# KiCad board imx8x_eps_leviathan.kicad_pcb
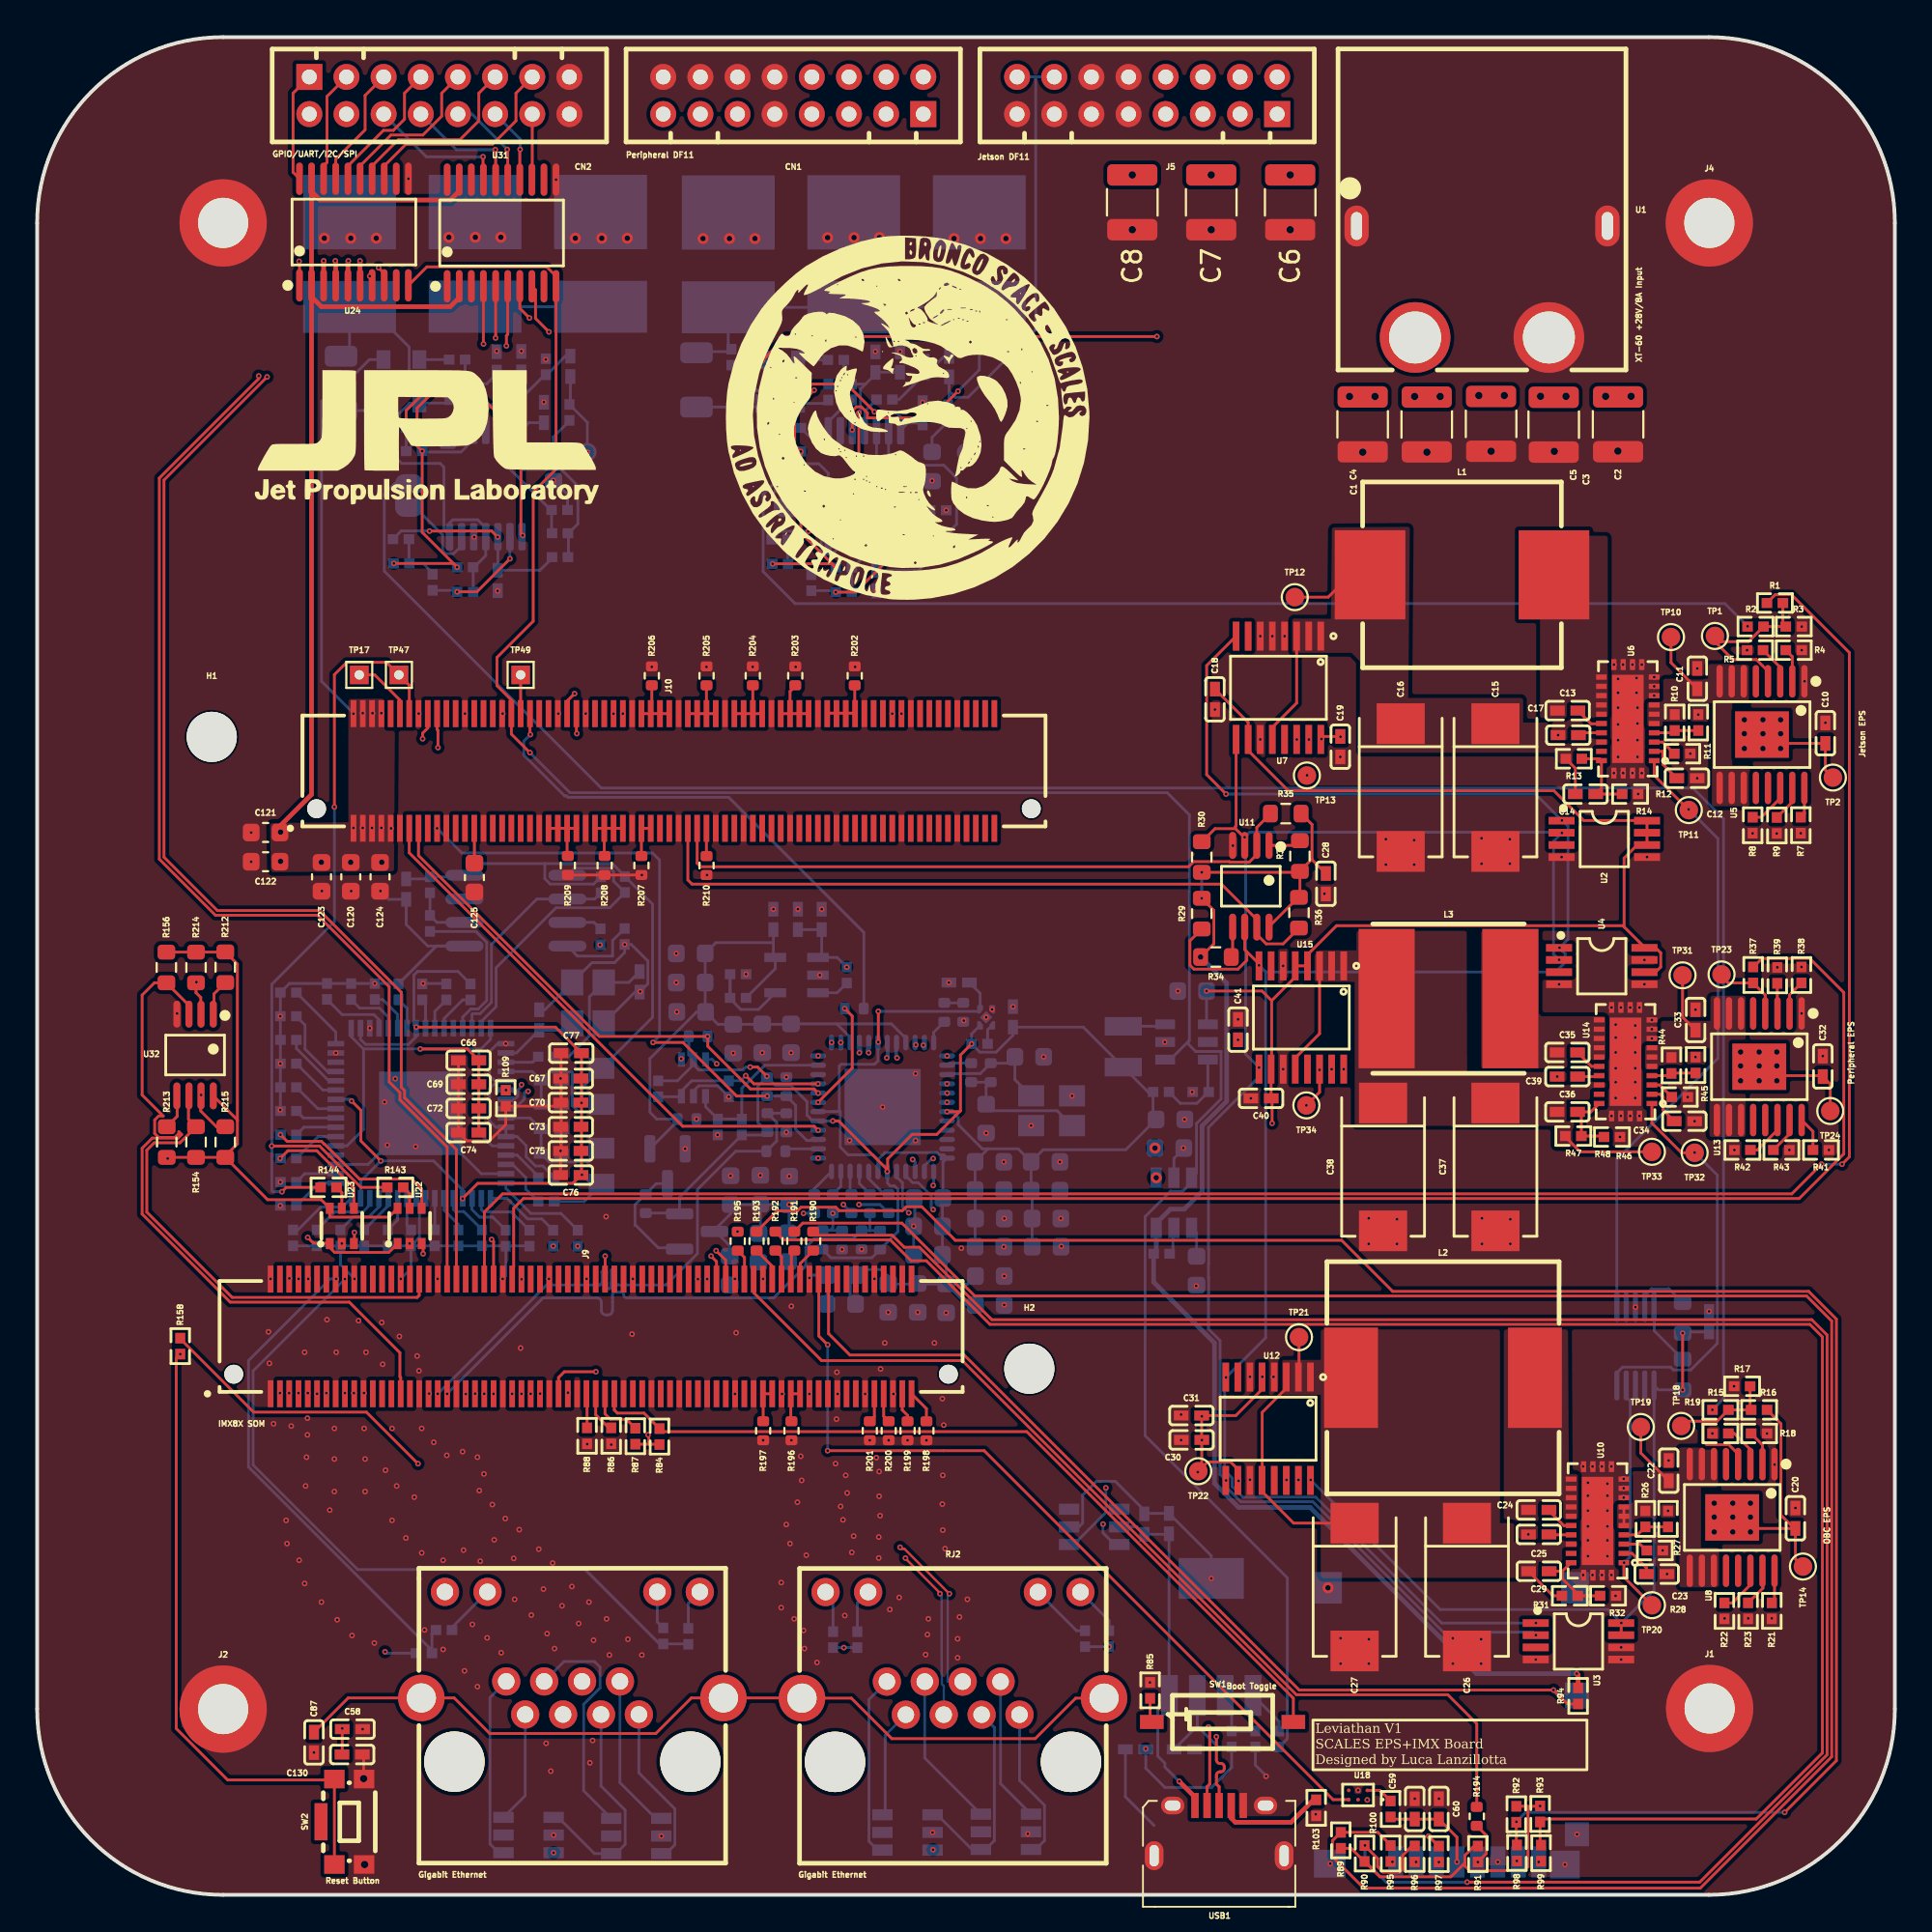
[diagram p0: board, top side]
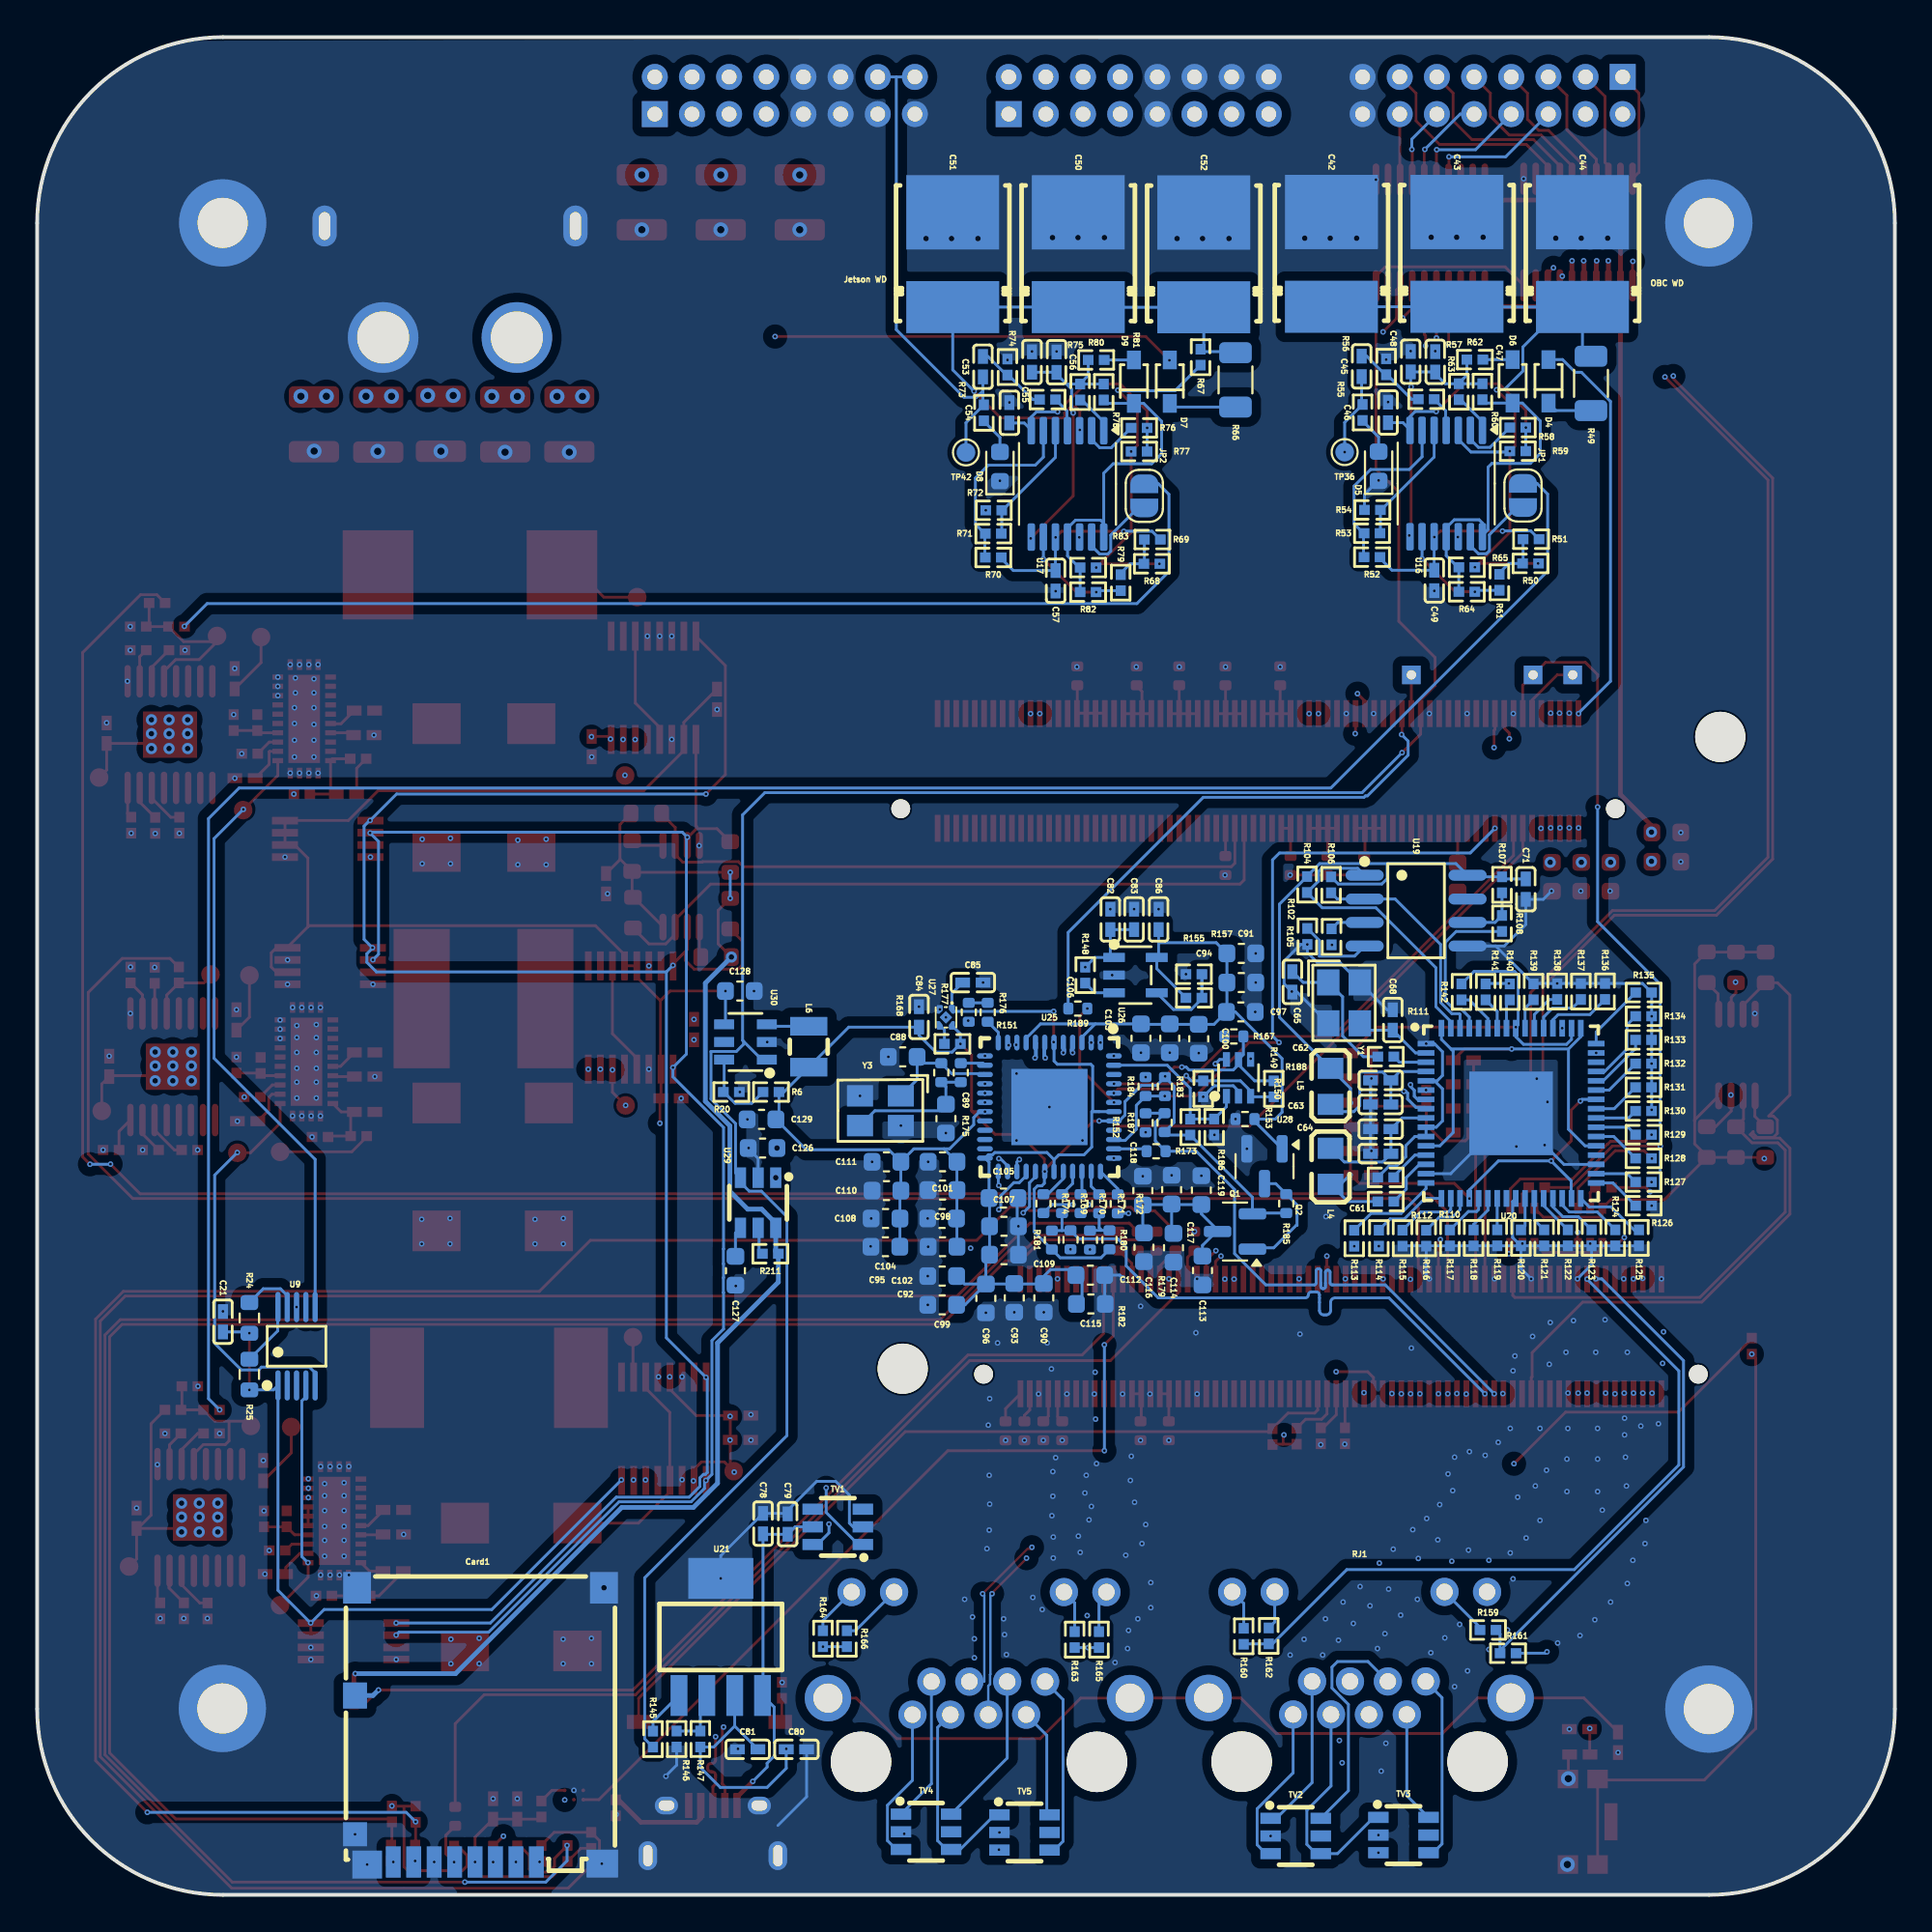
[diagram p1: board, bottom side, seen from below]

Outline 100 x 100 mm; copper layers: SIG1, GND1 (plane), PWR (plane), SIG2, GND2 (plane), SIG3. Coordinates in mm from the lower left corner of the outline.
Outline path: 0,90 0,10 arc(2.93,2.93) 10,0 90,0 arc(97.07,2.93) 100,10 100,90 arc(97.07,97.07) 90,100 10,100 arc(2.93,97.07) 0,90
Stack: SIG1 0.035mm / dielectric 0.0994mm FR4 er 4.1 / GND1 0.0152mm / dielectric 0.55mm FR4 er 4.5 / PWR 0.0152mm / dielectric 0.1088mm FR4 er 4.16 / SIG2 0.0152mm / dielectric 0.55mm FR4 er 4.5 / GND2 0.0152mm / dielectric 0.0994mm FR4 er 4.1 / SIG3 0.035mm

## Placement (name value [footprint] x y rotation side)
C1  10u  [C_1210_3225Metric]  74.8 79.15 270 top
C2  10u  [C_1210_3225Metric]  85.1 79.16 270 top
C3  10u  [C_1210_3225Metric]  81.64 79.14 270 top
C4  10u  [C_1210_3225Metric]  71.35 79.16 270 top
C5  10u  [C_1210_3225Metric]  78.27 79.18 270 top
C6  10u  [C_1210_3225Metric]  67.45 91.11 270 top
C7  10u  [C_1210_3225Metric]  63.2 91.11 270 top
C8  10u  [C_1210_3225Metric]  58.95 91.11 270 top
C10  220n  [C0402]  96.26 62.53 90 top
C11  22n  [C0402]  89.37 65.47 90 top
C12  1u  [C0402]  88.81 60.11 0 top
C13  100n  [C0402]  82.39 63.75 180 top
C14  10p  [C0402]  83.35 59.26 0 top
C15  47u  [CAP-SMD_L7.3-W4.3-FD]  78.5 59.61 270 top
C16  47u  [CAP-SMD_L7.3-W4.3-FD]  73.4 59.61 270 top
C17  100n  [C0402]  82.42 62.43 180 top
C18  100n  [C0402]  63.4 64.36 270 top
C19  100n  [C0402]  70.15 61.81 270 top
C20  220n  [C0402]  94.65 20.27 90 top
C21  100n  [C0402]  90 30.85 90 bottom
C22  22n  [C0402]  87.83 22.83 90 top
C23  0.47u  [C0402]  87.18 17.27 0 top
C24  100n  [C0402]  80.83 20.72 180 top
C25  10p  [C0402]  80.84 17.42 0 top
C26  47u  [CAP-SMD_L7.3-W4.3-FD]  76.97 16.57 270 top
C27  47u  [CAP-SMD_L7.3-W4.3-FD]  70.92 16.57 270 top
C28  100n  [C0402]  69.37 54.43 270 top
C29  100n  [C0402]  80.83 19.4 180 top
C30  100n  [C0402]  62.14 24.49 180 top
C31  100n  [C0402]  62.13 25.8 180 top
C32  220n  [C0402]  96.12 44.6 90 top
C33  22n  [C0402]  89.27 47.1 90 top
C34  0.47u  [C0402]  88.67 41.65 0 top
C35  100n  [C0402]  82.37 45.35 180 top
C36  10p  [C0402]  82.37 42.15 0 top
C37  47u  [CAP-SMD_L7.3-W4.3-FD]  78.5 39.18 270 top
C38  47u  [CAP-SMD_L7.3-W4.3-FD]  72.45 39.18 270 top
C39  100n  [C0402]  82.37 44.05 180 top
C40  100n  [C0402]  65.88 42.88 180 top
C41  100n  [C0402]  64.64 46.58 90 top
C42  100uF  [CAP-SMD_L7.3-W6.1_TCN4227M025R0100]  30.33 88.04 90 bottom
C43  100uF  [CAP-SMD_L7.3-W6.1_TCN4227M025R0100]  23.57 88.04 90 bottom
C44  100uF  [CAP-SMD_L7.3-W6.1_TCN4227M025R0100]  16.82 88.03 90 bottom
C45  10u  [C0402]  28.7 82.28 90 bottom
C46  10u  [C0402]  27.28 79.8 270 bottom
C47  10u  [C0402]  24.74 82.52 270 bottom
C48  10u  [C0402]  26.06 82.53 270 bottom
C49  10u  [C0402]  24.79 70.75 90 bottom
C50  100uF  [CAP-SMD_L7.3-W6.1_TCN4227M025R0100]  43.96 88.02 90 bottom
C51  100uF  [CAP-SMD_L7.3-W6.1_TCN4227M025R0100]  50.71 88.02 90 bottom
C52  100uF  [CAP-SMD_L7.3-W6.1_TCN4227M025R0100]  37.2 88.01 90 bottom
C53  10u  [C0402]  49.09 82.26 90 bottom
C54  10u  [C0402]  47.67 79.78 270 bottom
C55  10u  [C0402]  45.13 82.5 270 bottom
C56  10u  [C0402]  46.45 82.51 270 bottom
C57  10u  [C0402]  45.18 70.74 90 bottom
C58  100nF  [C0402]  16.97 8.92 180 top
C59  10uF  [C0402]  74.16 4.62 270 top
C60  10uF  [C0402]  75.46 4.62 270 top
C61  4.7uF  [C0402]  27.68 39.9 180 bottom
C62  4.7uF  [C0402]  27.68 43.85 180 bottom
C63  100nF  [C0402]  27.68 41.22 180 bottom
C64  100nF  [C0402]  27.68 42.55 180 bottom
C65  12pF  [C0402]  32.43 49.15 90 bottom
C66  4.7uF  [C0402]  23.23 44.92 0 top
C67  4.7uF  [C0402]  28.73 43.95 0 top
C68  12pF  [C0402]  27.03 47.1 270 bottom
C69  100nF  [C0402]  23.23 43.63 0 top
C70  100nF  [C0402]  28.73 42.65 0 top
C71  100nF  [C0402]  19.87 54.14 90 bottom
C72  100nF  [C0402]  23.23 42.33 0 top
C73  100nF  [C0402]  28.73 41.35 0 top
C74  100nF  [C0402]  23.23 41.03 0 top
C75  100nF  [C0402]  28.73 40.05 0 top
C76  4.7uF  [C0402]  28.73 38.75 0 top
C77  100nF  [C0402]  28.75 45.31 0 top
C78  2.2uF  [C0402]  60.93 19.98 270 bottom
C79  100nF  [C0402]  59.6 19.96 270 bottom
C80  1uF  [C0402]  59.13 7.83 0 bottom
C81  100nF  [C0402]  61.75 7.83 180 bottom
C82  100nF  [C0402]  42.23 52.51 90 bottom
C83  100nF  [C0402]  40.95 52.51 90 bottom
C84  100nF  [C0402]  52.53 47.26 90 bottom
C85  100nF  [C0402]  49.63 49.11 180 bottom
C86  100nF  [C0402]  39.63 52.51 90 bottom
C87  10nF  [C0402]  14.9 8.21 270 top
C88  18pF  [C_0603_1608Metric]  53.41 45.11 180 bottom
C89  18pF  [C_0603_1608Metric]  51.08 41.78 90 bottom
C90  1uF  [C_0603_1608Metric]  45.81 32.13 270 bottom
C91  1uF  [C_0603_1608Metric]  35.18 50.68 180 bottom
C92  100nF  [C_0603_1608Metric]  51.26 34.89 0 bottom
C93  100nF  [C_0603_1608Metric]  47.4 32.13 270 bottom
C94  100nF  [C_0603_1608Metric]  35.18 49.11 180 bottom
C95  1uF  [C_0603_1608Metric]  51.29 36.41 0 bottom
C96  1uF  [C_0603_1608Metric]  48.93 32.11 270 bottom
C97  1uF  [C_0603_1608Metric]  35.21 47.53 180 bottom
C98  100nF  [C_0603_1608Metric]  51.26 37.94 0 bottom
C99  100nF  [C_0603_1608Metric]  51.28 31.76 0 bottom
C100  100nF  [C_0603_1608Metric]  37.47 46.08 270 bottom
C101  1uF  [C_0603_1608Metric]  51.26 39.46 0 bottom
C102  1uF  [C_0603_1608Metric]  51.28 33.31 0 bottom
C103  10nF  [C_0603_1608Metric]  39.03 46.11 270 bottom
C104  100nF  [C_0603_1608Metric]  54.34 34.89 0 bottom
C105  100nF  [C_0603_1608Metric]  47.98 37.51 180 bottom
C106  10uF  [C_0603_1608Metric]  40.58 46.11 270 bottom
C107  1uF  [C_0603_1608Metric]  47.96 35.99 180 bottom
C108  1uF  [C_0603_1608Metric]  54.33 36.41 0 bottom
C109  100nF  [C_0603_1608Metric]  47.96 34.46 180 bottom
C110  10nF  [C_0603_1608Metric]  54.28 37.91 0 bottom
C111  10uF  [C_0603_1608Metric]  54.28 39.46 0 bottom
C112  10nF  [C_0603_1608Metric]  43.31 33.36 180 bottom
C113  1uF  [C_0603_1608Metric]  37.27 33.61 270 bottom
C114  100nF  [C_0603_1608Metric]  38.83 34.83 270 bottom
C115  10uF  [C_0603_1608Metric]  43.28 31.81 180 bottom
C116  1uF  [C_0603_1608Metric]  40.42 34.86 270 bottom
C117  100nF  [C_0603_1608Metric]  40.48 37.91 90 bottom
C118  10nF  [C_0603_1608Metric]  38.93 37.96 90 bottom
C119  10uF  [C_0603_1608Metric]  37.33 37.93 90 bottom
C120  22uF  [C_0603_1608Metric]  16.88 54.8 270 top
C121  22uF  [C_0603_1608Metric]  12.3 57.19 180 top
C122  4.7uF  [C_0603_1608Metric]  12.3 55.61 180 top
C123  4.7uF  [C_0603_1608Metric]  15.31 54.8 270 top
C124  100nF  [C_0603_1608Metric]  18.46 54.8 270 top
C125  220nF  [C_0603_1608Metric]  23.54 54.76 270 top
C126  1uF  [C_0603_1608Metric]  60.95 40.2 0 bottom
C127  47uF  [C_0603_1608Metric]  62.41 33.6 270 bottom
C128  4.7uF  [C_0603_1608Metric]  62.17 48.65 180 bottom
C129  10uF  [C_0603_1608Metric]  61.01 41.74 0 bottom
C130  100n  [C0402]  16.96 7.55 0 top
Card1  5027740891  [TF-SMD_5027740891]  76.19 9.08 180 bottom
CN1  DF11-16DP-2DSA(08)  [CONN-TH_DF11-16DP-2DSA-08]  40.7 96.86 0 top
CN2  DF11-16DP-2DSA(08)  [CONN-TH_DF11-16DP-2DSA-08]  21.65 96.86 180 top
D4  1N4448WS-7-F  [SOD-323_L1.8-W1.3-LS2.5-RD]  18.64 81.47 90 bottom
D5  GREEN  [LED_0603_1608Metric]  27.79 76.9 90 bottom
D6  1N4448WS-7-F  [SOD-323_L1.8-W1.3-LS2.5-RD]  20.57 81.47 90 bottom
D7  1N4448WS-7-F  [SOD-323_L1.8-W1.3-LS2.5-RD]  39.03 81.46 90 bottom
D8  GREEN  [LED_0603_1608Metric]  48.17 76.88 90 bottom
D9  1N4448WS-7-F  [SOD-323_L1.8-W1.3-LS2.5-RD]  40.96 81.46 90 bottom
G***  LOGO  [jpl_logo]  21 77.99 0 top
G***#2  -  [LOGO]  46.88 79.56 0 top
H1  MountingHole  [MountingHole_2.7mm_M2.5]  9.4 62.33 0 top
H2  MountingHole  [MountingHole_2.7mm_M2.5]  53.41 28.32 0 top
J1  Conn_01x01_Socket  [MountingHole_2.7mm_M2.5_DIN965_Pad]  90.03 10.03 180 top
J2  Conn_01x01_Socket  [MountingHole_2.7mm_M2.5_DIN965_Pad]  10.01 10 0 top
J3  Conn_01x01_Socket  [MountingHole_2.7mm_M2.5_DIN965_Pad]  10.01 90 0 top
J4  Conn_01x01_Socket  [MountingHole_2.7mm_M2.5_DIN965_Pad]  90.01 90 180 top
J5  DF11-16DP-2DSA  [CONN-TH_DF11-16DP-2DSA-08]  59.75 96.86 0 top
J9  BTH-070-02-L-D-A  [SAMTEC_BTH-070-02-L-D-A]  12.57 32.97 0 top
J10  BTH-070-02-L-D-A  [SAMTEC_BTH-070-02-L-D-A]  17.03 63.41 0 top
JP1  SolderJumper_2_Open  [SolderJumper-2_P1.3mm_Open_RoundedPad1.0x1.5mm]  20.02 75.33 90 bottom
JP2  SolderJumper_2_Open  [SolderJumper-2_P1.3mm_Open_RoundedPad1.0x1.5mm]  40.4 75.31 90 bottom
L1  35u  [IND-SMD_L10.7-W10.0_ETQP5MXXXX]  76.7 71.06 180 top
L2  6.1u  [IND-SMD_FTKB1207-6R1NT]  75.68 27.83 180 top
L3  10u  [IND-SMD_L8.0-W8.0]  75.97 48.24 0 top
L4  600R/1000MHz  [L0805]  30.38 39.22 90 bottom
L5  600R/1000MHz  [L0805]  30.38 43.52 270 bottom
L6  2.2uH  [IND-SMD_L2.5-W2.0_YXMBL252010P]  58.47 45.65 90 bottom
Q1  IRLML6401  [SOT-23]  35.52 35.71 0 bottom
Q2  BSS138  [SOT-23]  33.93 39.22 270 bottom
R1  1k  [R0402]  93.54 69.54 0 top
R2  1k  [R0402]  92.5 68.27 180 top
R3  15k  [R0402]  94.56 68.27 0 top
R4  1k  [R0402]  94.56 67 180 top
R5  15k  [R0402]  92.48 67 180 top
R6  200k  [R0402]  60.5 43.22 0 bottom
R7  15k  [R0402]  94.94 57.58 270 top
R8  15k  [R0402]  92.35 57.58 270 top
R9  15k  [R0402]  93.65 57.57 270 top
R10  47k  [R0402]  88.15 63.11 270 top
R11  2k  [R0402]  89.42 63.11 90 top
R12  110k  [R0402]  88.56 61.43 0 top
R13  196k  [R0402]  82.72 61.16 0 top
R14  10k  [R0402]  85.75 59.26 0 top
R15  1k  [R0402]  90.61 26.11 180 top
R16  56.2k  [R0402]  92.69 26.11 0 top
R17  10k  [R0402]  91.78 27.38 0 top
R18  1k  [R0402]  92.69 24.84 180 top
R19  15k  [R0402]  90.61 24.84 0 top
R20  100k  [R0402]  62.63 43.22 180 bottom
R21  15k  [R0402]  93.38 15.29 270 top
R22  15k  [R0402]  90.83 15.28 270 top
R23  15k  [R0402]  92.1 15.29 270 top
R24  14k  [R_0603_1608Metric]  88.58 31.06 90 bottom
R25  17k  [R_0603_1608Metric]  88.58 28.01 90 bottom
R26  47k  [R0402]  86.57 20.24 270 top
R27  2k  [R0402]  87.79 20.24 90 top
R28  110k  [R0402]  87.08 18.54 0 top
R29  4.7k  [R_0603_1608Metric]  62.69 52.82 270 top
R30  4.7k  [R_0603_1608Metric]  62.69 55.87 90 top
R31  240k  [R0402]  82.51 16.1 0 top
R32  100k  [R0402]  84.56 16.1 0 top
R33  4.7k  [R_0603_1608Metric]  67.97 55.92 90 top
R34  4.7k  [R_0603_1608Metric]  63.45 50.48 0 top
R35  4.7k  [R_0603_1608Metric]  67.21 58.2 180 top
R36  4.7k  [R_0603_1608Metric]  67.92 52.87 270 top
R37  1k  [R0402]  92.37 49.52 90 top
R38  1k  [R0402]  94.97 49.52 270 top
R39  15k  [R0402]  93.67 49.5 270 top
R41  15k  [R0402]  96.02 40.1 180 top
R42  15k  [R0402]  91.79 40.1 0 top
R43  15k  [R0402]  93.89 40.1 180 top
R44  47k  [R0402]  87.97 44.65 270 top
R45  2k  [R0402]  89.27 44.67 90 top
R46  110k  [R0402]  88.42 42.95 0 top
R47  20.8k  [R0402]  82.69 40.85 0 top
R48  5k  [R0402]  84.77 40.8 0 top
R49  10  [R_1206_3216Metric]  16.36 81.36 90 bottom
R50  10k  [R0402]  19.61 71.67 180 bottom
R51  10k  [R0402]  19.58 72.98 0 bottom
R52  10k  [R0402]  28.14 72.01 180 bottom
R53  10k  [R0402]  28.14 73.29 0 bottom
R54  3k  [R0402]  28.12 74.55 180 bottom
R55  3k  [R0402]  28.65 79.8 90 bottom
R56  10k  [R0402]  27.38 82.26 270 bottom
R57  10k  [R0402]  25.22 80.51 0 bottom
R58  1k  [R0402]  20.3 78.98 0 bottom
R59  100k  [R0402]  20.3 77.71 180 bottom
R60  1k  [R0402]  23.47 80.91 270 bottom
R61  100k  [R0402]  21.29 70.65 270 bottom
R62  100k  [R0402]  22.61 82.64 180 bottom
R63  4.7M  [R0402]  22.2 80.91 270 bottom
R64  100k  [R0402]  23.04 70.15 0 bottom
R65  100k  [R0402]  23.04 71.47 0 bottom
R66  10  [R_1206_3216Metric]  35.49 81.55 90 bottom
R67  100k  [R0402]  37.37 82.77 270 bottom
R68  10k  [R0402]  39.99 71.65 180 bottom
R69  10k  [R0402]  39.97 72.96 0 bottom
R70  10k  [R0402]  48.53 71.99 180 bottom
R71  10k  [R0402]  48.53 73.28 0 bottom
R72  3k  [R0402]  48.51 74.53 180 bottom
R73  3k  [R0402]  49.04 79.78 90 bottom
R74  10k  [R0402]  47.77 82.24 270 bottom
R75  10k  [R0402]  45.61 80.49 0 bottom
R76  1k  [R0402]  40.68 78.97 0 bottom
R77  100k  [R0402]  40.68 77.7 180 bottom
R78  1k  [R0402]  43.86 80.9 270 bottom
R79  100k  [R0402]  41.67 70.64 270 bottom
R80  100k  [R0402]  42.99 82.62 180 bottom
R81  4.7M  [R0402]  42.59 80.9 270 bottom
R82  100k  [R0402]  43.43 70.13 0 bottom
R83  100k  [R0402]  43.43 71.45 0 bottom
R84  1K  [R0402]  33.5 24.67 270 top
R85  1K  [R0402]  59.91 11.01 270 top
R86  1K  [R0402]  30.9 24.71 90 top
R87  1K  [R0402]  32.2 24.69 270 top
R88  1K  [R0402]  29.6 24.71 90 top
R89  49.9K  [R0402]  70.18 2.93 270 top
R90  49.9K  [R0402]  71.46 2.22 270 top
R91  49.9K  [R0402]  77.56 2.19 90 top
R92  49.9K  [R0402]  79.63 4.34 90 top
R93  49.9K  [R0402]  80.91 4.35 90 top
R94  49.9K  [R0402]  82.95 10.71 90 top
R95  22  [R0402]  72.86 2.22 90 top
R96  22  [R0402]  74.16 2.2 90 top
R97  22  [R0402]  75.46 2.19 90 top
R98  22  [R0402]  79.66 2.25 90 top
R99  22  [R0402]  80.96 2.24 90 top
R100  0  [R0402]  72.86 4.62 90 top
R102  10K  [R0402]  30.32 51.57 270 bottom
R103  0  [R0402]  68.85 4.68 90 top  (not fitted)
R104  10K  [R0402]  31.64 54.39 90 bottom
R105  0  [R0402]  31.63 51.59 90 bottom
R106  10K  [R0402]  30.35 54.37 90 bottom
R107  10K  [R0402]  21.15 54.37 90 bottom
R108  2K  [R0402]  21.15 52.29 90 bottom
R109  12K  [R0402]  25.23 42.88 90 top
R110  10K  [R0402]  27.41 38.62 180 bottom
R111  200  [R0402]  27.4 45.12 0 bottom
R112  1K  [R0402]  27.4 37.32 0 bottom
R113  22  [R0402]  29.1 35.35 90 bottom
R114  22  [R0402]  27.78 35.35 90 bottom
R115  10K  [R0402]  26.5 35.35 90 bottom
R116  10K  [R0402]  25.23 35.35 90 bottom
R117  10K  [R0402]  23.95 35.36 90 bottom
R118  10K  [R0402]  22.68 35.36 90 bottom
R119  10K  [R0402]  21.4 35.37 90 bottom
R120  10K  [R0402]  20.13 35.37 90 bottom
R121  10K  [R0402]  18.88 35.37 90 bottom
R122  10K  [R0402]  17.6 35.37 90 bottom
R123  10K  [R0402]  16.33 35.37 90 bottom
R124  10K  [R0402]  15.05 35.37 90 bottom
R125  10K  [R0402]  13.78 35.37 90 bottom
R126  10K  [R0402]  13.52 37.1 0 bottom
R127  10K  [R0402]  13.53 38.37 0 bottom
R128  22  [R0402]  13.53 39.65 0 bottom
R129  22  [R0402]  13.53 40.92 0 bottom
R130  10K  [R0402]  13.53 42.2 0 bottom
R131  10K  [R0402]  13.53 43.47 0 bottom
R132  10K  [R0402]  13.53 44.75 0 bottom
R133  10K  [R0402]  13.53 46.02 0 bottom
R134  10K  [R0402]  13.52 47.3 0 bottom
R135  10K  [R0402]  13.52 48.57 0 bottom
R136  10K  [R0402]  15.6 48.63 270 bottom
R137  10K  [R0402]  16.9 48.63 270 bottom
R138  10K  [R0402]  18.18 48.63 270 bottom
R139  10K  [R0402]  19.45 48.61 270 bottom
R140  10K  [R0402]  20.73 48.61 270 bottom
R141  10K  [R0402]  22.03 48.61 270 bottom
R142  1K  [R0402]  23.33 48.61 270 bottom
R143  10K  [R0402]  19.28 38.08 180 top
R144  10K  [R0402]  15.69 38.08 180 top
R145  10K  [R0402]  66.85 8.38 270 bottom
R146  10K  [R0402]  65.58 8.39 90 bottom
R147  16.5K  [R0402]  64.3 8.39 90 bottom
R148  10K  [R0402]  43.58 49.51 270 bottom
R149  10K  [R0402]  33.43 43.39 270 bottom
R150  2.49K  [R0402]  37.23 43.39 270 bottom
R151  10K  [R0402]  50.73 45.81 0 bottom
R152  5.76K  [R0402]  37.93 41.33 90 bottom
R153  2.49K  [R0402]  36.64 41.33 270 bottom
R154  10k  [R_0603_1608Metric]  8.55 40.52 90 top
R155  2.55k  [R0402]  37.73 49.56 180 bottom
R156  10k  [R_0603_1608Metric]  6.96 49.92 270 top
R157  13K  [R0402]  37.73 48.29 0 bottom
R158  2K  [R0402]  7.7 29.54 270 top
R159  200  [R0402]  21.9 14.26 0 bottom
R160  22  [R0402]  35.05 13.92 270 bottom
R161  10K  [R0402]  20.82 13.01 180 bottom
R162  2.49K  [R0402]  33.7 13.94 270 bottom
R163  200  [R0402]  44.15 13.74 90 bottom
R164  22  [R0402]  57.7 13.79 270 bottom
R165  10K  [R0402]  42.84 13.74 90 bottom
R166  2.49K  [R0402]  56.41 13.79 270 bottom
R167  2K  [R_0402_1005Metric]  35.58 46.21 180 bottom
R168  1M  [R_0402_1005Metric]  51.33 44.26 270 bottom
R169  22  [R_0402_1005Metric]  44.83 37.21 270 bottom
R170  22  [R_0402_1005Metric]  43.83 37.21 270 bottom
R171  22  [R_0402_1005Metric]  42.83 37.2 270 bottom
R172  22  [R_0402_1005Metric]  41.83 37.2 270 bottom
R173  22  [R_0402_1005Metric]  39.77 40.03 180 bottom
R174  0  [R_0402_1005Metric]  45.83 37.21 270 bottom
R175  100  [R_0402_1005Metric]  50.28 44.26 90 bottom
R176  1K  [R_0402_1005Metric]  48.83 47.51 90 bottom
R177  10K  [R_0402_1005Metric]  49.85 47.51 270 bottom
R179  10K  [R_0402_1005Metric]  42.28 35.26 90 bottom  (not fitted)
R180  2.49K  [R_0402_1005Metric]  43.33 35.25 270 bottom  (not fitted)
R181  2.49K  [R_0402_1005Metric]  45.38 35.25 90 bottom
R182  2.49K  [R_0402_1005Metric]  44.38 35.26 270 bottom  (not fitted)
R183  5.76K  [R_0402_1005Metric]  39.29 43.51 270 bottom
R184  2.49K  [R_0402_1005Metric]  40.33 43.51 90 bottom
R185  10K  [R_0402_1005Metric]  32.76 37.21 90 bottom
R186  5.76K  [R_0402_1005Metric]  39.31 41.57 90 bottom
R187  2.49K  [R_0402_1005Metric]  40.33 41.56 270 bottom
R188  10K  [R_0402_1005Metric]  34.98 41.76 0 bottom
R189  15K  [R_0402_1005Metric]  43.98 47.71 0 bottom
R190  22  [R_0402_1005Metric]  41.77 35.19 270 top
R191  22  [R_0402_1005Metric]  40.76 35.19 270 top